# KiCad board Stream.kicad_pcb (continued)
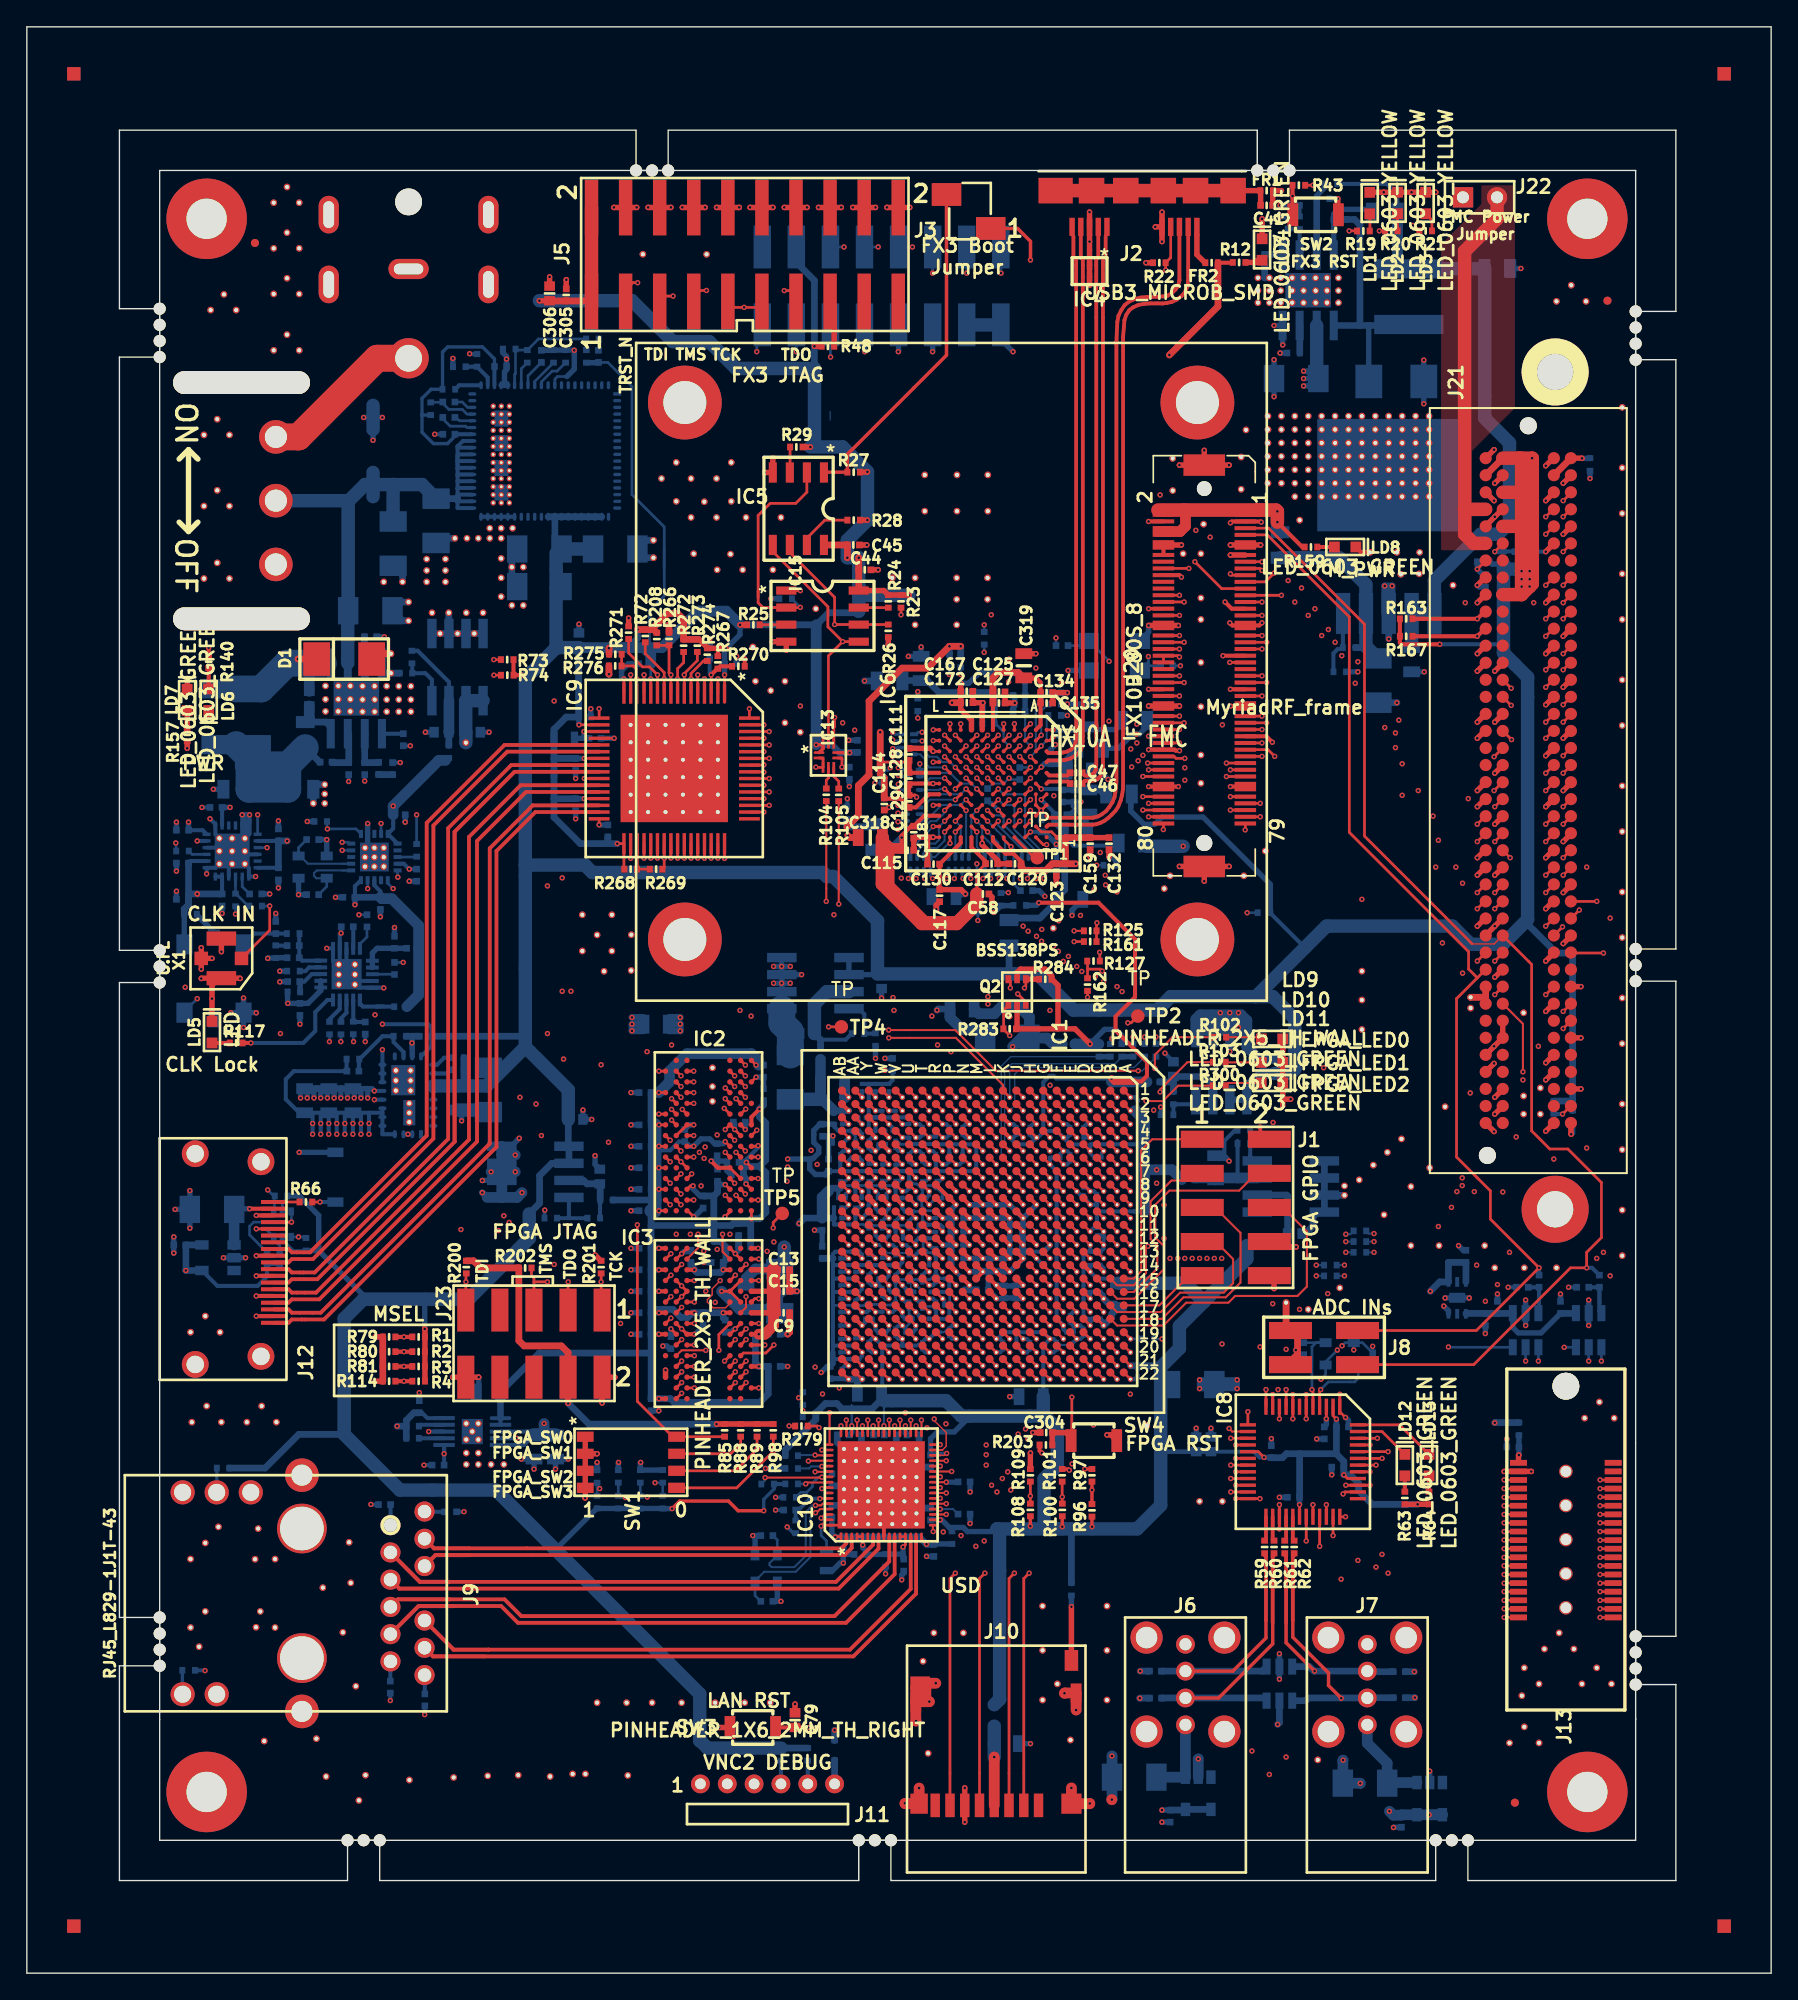
[diagram p0: board, top side]
## Routing (per net, layer and track width the routed paths; a pad name or vN(x,y) marks a point on that pad's centre or on a via; arc(x,y) is an arc through that point) (continued)
  Bottom w0.8: v1(101.55,12.06) 101.84,11.77 C55.1 102.47,11.8 U5.5 U5.4 v1(104.51,11.8)
  Bottom w1: IC18.1 IC18.2 32.7,94.77 C176.1 32.72,92.43 GND_VIA#396.1
VCC5_M: length 31.4
  Top w0.3: J20.1 90.81,109.16 J20.2 J20.4 ; J20.1 92.15,109.15 ; J20.1 J20.3 ; v1(93.2,108.1) 95.05,106.25 R159.2 ; 84.71,107.4 J20.10 84.99,107.16 85.22,107.39 84.97,107.39 J20.8 84.71,107.4 ; 84.71,107.4 85.95,107.4 86.15,107.6 86.15,109
  Top w0.8: 84.3,107.4 85.95,107.4 86.35,107.8 86.35,109
  Top w1: 92.3,109 91.7,109 91.8,109 ; 91.8,109 93.1,109 v1(93.2,108.9) v1(93.2,108.1) ; 91.8,109 84.3,109
  Bottom w1: R160.1 93.2,107.55 v1(93.2,108.9)
VIN_clk: length 43.6
  Top w0.2: v1(98.27,34) IC8.36 ; IC1.T22 IC1.T22
  Inner6.Cu w0.1: v1(68.3,32.88) 69.05,32.88 70.18,34 v1(98.27,34)
  Inner3.Cu w0.1: v1(68.3,32.88) 67.6,33.57 67.6,39.75 67.85,40 67.85,40.47 67.25,41.07 IC1.T22
VIN_debug: length 106
  Top w0.2: IC1.M16 IC1.M16 ; IC8.11 v1(92.85,43.1)
  Inner6.Cu w0.1: v1(92.85,49.88) 71.62,49.88 IC1.M16
  Inner6.Cu w0.15: 65.4,15.3 68.3,15.3 ; 68.3,15.3 88.3,15.3 89.55,16.55 v1(91.3,16.55) ; 68.3,15.3 64.5,15.3 62.6,17.2 53.3,17.2 J11.1 51.4,15.3
  Inner4.Cu w0.1: v1(92.85,43.1) v1(92.85,49.88)
  Inner4.Cu w0.15: 91.3,17.45 91.3,39.2 92.85,40.75 v1(92.85,43.1) ; 91.3,17.45 91.3,17.05 ; 91.3,17.45 v1(91.3,16.55)
VIN_oe: length 43.9
  Top w0.2: v1(97.35,32.6) IC8.35 ; IC1.P20 IC1.P20
  Inner6.Cu w0.1: v1(97.35,32.6) v1(69.62,32.6)
  Inner3.Cu w0.1: v1(69.62,32.6) 69.62,42.85 68.88,43.6 68.88,45.88 IC1.P20
VIN_prog: length 101.7
  Top w0.2: IC1.R17 IC1.R17 ; v1(93.35,41.3) IC8.10
  Inner6.Cu w0.1: v1(68.5,40.93) 69.05,40.93 69.43,41.3 v1(93.35,41.3)
  Inner6.Cu w0.15: 64.6,14.4 66.4,14.4 ; 66.4,14.4 92.2,14.4 v1(92.6,14.8) ; 66.4,14.4 63.9,14.4 62.3,16 60.1,16 J11.5
  Inner4.Cu w0.15: v1(92.6,14.8) 92.6,35.7 93.35,36.45 v1(93.35,41.3)
  Inner3.Cu w0.1: v1(68.5,40.93) 67.88,41.55 67.88,48.88 IC1.R17
  Bottom w0.3: R265.1 J11.5
VIN_rd: length 46.3
  Top w0.2: v1(96.35,31.8) IC8.33 ; IC1.N18 IC1.N18
  Inner6.Cu w0.1: v1(70.72,31.8) v1(96.35,31.8)
  Inner3.Cu w0.1: v1(70.72,31.8) 70.72,36.43 72.05,37.75 72.05,39.65 70.62,41.07 70.62,47.88 IC1.N18
VIN_reset: length 105.5
  Top w0.2: IC1.W19 IC1.W19 ; IC8.9 v1(93.85,43.47)
  Inner6.Cu w0.1: 93.81,46.47 93.54,46.2 90.15,46.2 89.88,46.47 88.68,46.47 88.52,46.62 64.88,46.62 IC1.W19
  Inner6.Cu w0.15: 64.4,14.8 65.6,14.8 ; 65.6,14.8 91.55,14.8 92.85,16.1 v1(93.85,16.1) ; 65.6,14.8 64.3,14.8 62.5,16.6 58.7,16.6 J11.4 ; v1(93.85,46.47) 93.81,46.47
  Inner4.Cu w0.1: v1(93.85,46.47) v1(93.85,43.47)
  Inner4.Cu w0.15: 93.85,18.75 93.85,18.7 ; 93.85,18.75 v1(93.85,43.47) ; 93.85,18.75 v1(93.85,16.1)
  Bottom w0.3: R264.1 J11.4
VIN_rxf: length 44.8
  Top w0.2: v1(95.35,32.2) IC8.31 ; IC1.N17 IC1.N17
  Inner6.Cu w0.1: v1(71.35,32.2) v1(95.35,32.2)
  Inner3.Cu w0.1: v1(71.35,32.2) 71.35,36.6 72.35,37.6 72.35,39.82 70.88,41.3 70.88,48.62 IC1.N17
VIN_txe: length 42
  Top w0.2: IC1.N16 IC1.N16 ; IC8.32 v1(95.85,34.9)
  Inner6.Cu w0.1: v1(94.85,49.45) 92.52,49.45 92.35,49.62 70.88,49.62 IC1.N16
  Inner4.Cu w0.1: v1(95.85,34.9) 94.85,35.9 94.85,44.01 95.39,44.55 95.39,48.64 94.85,49.18 v1(94.85,49.45)
VIN_wr: length 45.7
  Top w0.2: IC1.P15 IC1.P15 ; v1(96.85,34.9) IC8.34
  Inner6.Cu w0.1: IC1.P15 69.88,50.62 v1(96.95,50.62)
  Inner4.Cu w0.1: v1(96.95,50.62) 96.95,42.35 96.35,41.75 96.35,40.75 96.85,40.25 v1(96.85,34.9)
(no net): length 0.6
  Bottom w0.1: 59.87,116.33 59.87,115.72
5P5V: length 50.2
  Bottom w0.3: D12.1 102.15,132.5 101.35,133.3 R51.1
  Bottom w0.5: 102.15,127.75 102.93,126.97 L2.1
  Bottom w0.8: D12.1 102.15,127.75
  Bottom w1: L2.1 108.62,126.97 C162.1 108.65,117.55 108.65,117.55 108.65,115.85 110.5,114 110.5,108.05 109.65,107.2 108.35,107.2 104.9,103.75 IC24.1 IC24.2 C152.1
/Board power supply 2/V_FB: length 9.2
  Bottom w0.2: IC22.62 36.35,119.1 36.42,119.17 R177.1 36.5,120.92 R282.1 38.13,121.75 R176.2 41.7,121.73 R175.2
/Ethernet/CLK125_NDO: length 8.5
  Top w0.15: 59.82,36.97 59.28,36.97 v1(59.25,36.95) 59.22,36.92 v1(55.02,36.92)
  Bottom w0.1: 55.02,36.72 R84.2
  Bottom w0.15: R84.2 55.02,36.72 v1(55.02,36.92)
  Bottom w0.2: R110.2 57.69,35.82 58.12,35.82 58.55,36.25 58.55,36.5 59,36.95 v1(59.25,36.95)
/Ethernet/lan_rxd_0: length 30.5
  Top w0.15: IC10.44 v1(62.28,40.78)
  Top w0.2: IC1.Y21 IC1.Y21
  Inner6.Cu w0.1: 57.47,40.18 57.48,40.18 62,40.18 62.28,40.46 v1(62.28,40.78)
  Inner6.Cu w0.15: 46.61,36.1 55.07,36.1 55.06,36.1 55.06,36.09 56.54,37.57 56.54,39.24 57.47,40.18 ; 46.61,36.1 46.6,36.1 ; 46.61,36.1 46.05,36.66 44.09,36.66 43.53,36.1 v1(42.69,36.1)
  Inner4.Cu w0.1: v1(62.28,40.78) 62.28,42.18 62.88,42.78 62.88,44.88 IC1.Y21
  Bottom w0.2: 42.5,36.21 R94.2 ; 42.5,36.21 R95.2 ; 42.5,36.21 42.58,36.21 v1(42.69,36.1)
/Ethernet/lan_rxd_1: length 29.4
  Top w0.15: v1(62.68,41.2) IC10.43
  Top w0.2: IC1.Y22 IC1.Y22
  Inner6.Cu w0.1: 62.68,40.43 62.15,39.9 57.7,39.9
  Inner6.Cu w0.15: 62.68,40.43 v1(62.68,41.2) ; v1(44.61,35.43) 45.54,36.36 45.94,36.36 46.76,35.54 46.76,35.43 55.12,35.43 55.11,35.42 57.02,37.33 57.02,39.22 57.7,39.9
  Inner4.Cu w0.1: v1(62.68,41.2) 62.68,42.22 63.25,42.8 IC1.Y22
  Bottom w0.2: R93.2 44.08,35.57 R92.2 44.2,35.43 v1(44.61,35.43)
/Ethernet/lan_rxd_2: length 30.4
  Top w0.15: v1(63.47,41.2) IC10.41
  Top w0.2: IC1.W21 IC1.W21
  Inner6.Cu w0.1: 63.47,40.38 62.8,39.7 57.97,39.7 57.88,39.6
  Inner6.Cu w0.15: 63.47,40.38 v1(63.47,41.2) ; 57.39,36.4 57.39,36.36 ; 57.39,36.4 57.39,39.12 57.88,39.6 ; 57.39,36.4 57.39,35.15 57.31,35.07 46.69,35.07 ; 46.69,35.07 46.67,35.07 ; 46.69,35.07 46.64,35.07 v1(46.24,35.47)
  Inner4.Cu w0.1: v1(63.47,41.2) 63.88,41.6 63.88,44.88 IC1.W21
  Bottom w0.2: v1(46.24,35.47) 46.16,35.55 R90.2 R91.2
/Ethernet/lan_rxd_3: length 28.1
  Top w0.15: v1(64.28,41.2) IC10.39
  Top w0.2: IC1.W22 IC1.W22
  Inner6.Cu w0.15: IC1.W22 63.1,43.1 60.09,43.1 59.64,43.55 58.82,43.55 54.86,39.59 54.86,38.16 53.24,36.54 v1(46.82,36.54)
  Inner4.Cu w0.1: v1(64.28,41.2) 64.25,41.22 IC1.W22
  Bottom w0.2: R86.2 47.39,35.57 R87.2 v1(46.82,36.54)
/Ethernet/lan_rxd_4: length 6
  Top w0.15: v1(64.68,40.78) IC10.38
  Top w0.2: IC1.V21 IC1.V21
  Inner4.Cu w0.1: v1(64.68,40.78) 64.68,43.65 64.88,43.85 64.88,44.88 IC1.V21 65.22,45.25
/Ethernet/lan_rxd_5: length 4.8
  Top w0.15: v1(65.07,41.2) IC10.37
  Top w0.2: IC1.V22 IC1.V22
  Inner4.Cu w0.1: v1(65.07,41.2) 65.07,43.62 65.25,43.8 IC1.V22
/Ethernet/lan_rxd_6: length 5.9
  Top w0.15: v1(65.88,41.2) IC10.35
  Top w0.2: IC1.U21 IC1.U21
  Inner4.Cu w0.1: 65.9,44.9 IC1.U21 ; 65.9,44.9 65.88,44.88 ; 65.9,44.9 65.88,44.88 ; 65.88,44.88 v1(65.88,41.2)
/Ethernet/lan_rxd_7: length 4.7
  Top w0.15: v1(66.28,40.78) IC10.34
  Top w0.2: IC1.U22 IC1.U22
  Inner4.Cu w0.1: v1(66.28,40.78) 66.25,40.8 IC1.U22
/Ethernet/lan_txd_0: length 12.5
  Top w0.15: IC10.21 v1(68.53,34.97)
  Top w0.2: IC1.N22 IC1.N22
  Inner4.Cu w0.1: IC1.N22 70.25,42.95 71.1,42.1 71.1,37.3 68.78,34.97 v1(68.53,34.97)
/Ethernet/lan_txd_1: length 13.2
  Top w0.15: v1(68.07,35.38) IC10.22
  Top w0.2: IC1.N21 IC1.N21
  Inner4.Cu w0.1: v1(68.07,35.38) 68.78,35.38 70.8,37.4 70.8,42 69.88,42.93 69.88,44.88 IC1.N21
/Ethernet/lan_txd_2: length 12.7
  Top w0.15: IC10.23 v1(68.53,35.78)
  Top w0.2: IC1.P21 IC1.P21
  Inner4.Cu w0.1: IC1.P21 69.62,44.88 69.62,42.72 70.55,41.8 70.55,37.57 68.75,35.78 v1(68.53,35.78)
/Ethernet/lan_txd_3: length 11
  Top w0.15: IC10.24 v1(68.07,36.18)
  Top w0.2: IC1.P22 IC1.P22
  Inner4.Cu w0.1: IC1.P22 69.25,42.62 70.25,41.62 70.25,37.7 68.72,36.18 v1(68.07,36.18)
/Ethernet/lan_txd_4: length 13.3
  Top w0.15: IC10.26 v1(68.07,36.97)
  Top w0.2: IC1.R20 IC1.R20
  Inner4.Cu w0.1: 69.9,38.3 69.9,41.5 68.88,42.53 68.88,45.62 IC1.R20 ; 69.9,38.3 69.9,37.78 69.1,36.97 v1(68.07,36.97) 68.7,36.97 ; 69.9,38.3 69.9,38.18
/Ethernet/lan_txd_5: length 11.2
  Top w0.15: v1(68.93,37.38) IC10.27
  Top w0.2: IC1.R21 IC1.R21
  Inner4.Cu w0.1: 69.6,38.7 69.6,41.32 68.62,42.3 68.62,44.88 IC1.R21 ; 69.6,38.7 69.6,38.28 ; 69.6,38.7 69.6,38.05 v1(68.93,37.38)
/Ethernet/lan_txd_6: length 9.1
  Top w0.15: IC10.28 v1(68.07,37.78)
  Top w0.2: IC1.R22 IC1.R22
  Inner4.Cu w0.1: IC1.R22 68.25,42.22 69.3,41.18 69.3,38.35 68.72,37.78 v1(68.07,37.78)
/Ethernet/lan_txd_7: length 11.6
  Top w0.15: v1(68.53,38.18) IC10.29
  Top w0.2: IC1.R19 IC1.R19
  Inner4.Cu w0.1: IC1.R19 67.88,46.88 67.88,42.15 69,41.03 69,38.65 v1(68.53,38.18)
/Ethernet/LED1: length 67.7
  Top w0.15: IC10.19 v1(68.53,34.18)
  Top w0.2: R108.2 v1(74.79,35.55) R109.2
  Inner6.Cu w0.15: 67.57,34.18 v1(68.53,34.18)
  Inner6.Cu w0.2: v1(74.79,35.55) 74.06,34.82 69.77,34.82 69.12,34.18 v1(68.53,34.18)
  Inner6.Cu w0.3: 67.57,34.18 67.05,33.65 67.05,33.15 66.5,32.6 61.6,32.6 60.05,31.05 41,31.05 35.15,36.9 26.35,36.9 24.08,39.17 20.04,39.17 J9.15
  Bottom w0.4: 16.7,35.87 16.75,35.82
/Ethernet/LED2: length 75.5
  Top w0.15: v1(67.55,32.9) 67.53,32.93 IC10.17
  Top w0.2: R100.2 77.16,34.99 77.16,35.48 ; v1(77.17,35.48) 77.16,35.48 ; 77.16,35.48 R101.2
  Inner6.Cu w0.2: v1(77.17,35.48) 76.14,34.45 70.1,34.45 68.99,33.34 67.72,33.34 67.55,33.17 v1(67.55,32.9)
  Inner6.Cu w0.3: J9.17 13.19,34.24 17.12,34.24 18.28,35.4 25,35.4 25.7,36.1 35,36.1 41.25,29.85 61.2,29.85 61.8,30.45 67.25,30.45 67.55,30.75 v1(67.55,32.9)
/Ethernet/TXRXM_A: length 33.2
  Top w0.28: 33.05,31.15 60.95,31.15 61.47,31.68 IC10.3
  Top w0.3: J9.10 30.46,31.15 33.05,31.15
/Ethernet/TXRXM_B: length 38.8
  Top w0.28: 31.25,28.65 60.5,28.65 63.47,31.62 IC10.8
  Top w0.3: J9.4 27.76,28.65 31.25,28.65
/Ethernet/TXRXM_C: length 43.3
  Top w0.28: 31.75,27.35 35.35,27.35 36.6,26.1 61.05,26.1 64.68,29.72 IC10.11
  Top w0.3: J9.2 29.19,27.35 31.82,27.35
/Ethernet/TXRXM_D: length 43.1
  Top w0.28: 34.1,23.6 61.6,23.6 66.28,28.28 IC10.15
  Top w0.3: J9.8 30.28,23.6 34.1,23.6
/Ethernet/TXRXP_A: length 32.4
  Top w0.28: 32.95,31.65 60.7,31.65 61.07,32.03 IC10.2
  Top w0.3: J9.11 30.35,31.65 32.95,31.65
/Ethernet/TXRXP_B: length 38.6
  Top w0.28: 31.5,29.15 60.3,29.15 63.07,31.93 IC10.7
  Top w0.3: J9.5 29.29,29.15 31.5,29.15
/Ethernet/TXRXP_C: length 41.5
  Top w0.28: 31.5,27.85 35.6,27.85 36.85,26.6 60.2,26.6 64.28,30.68 IC10.10
  Top w0.3: 27.1,27.28 27.66,27.85 31.5,27.85
/Ethernet/TXRXP_D: length 42.9
  Top w0.28: 34.4,24.1 61.35,24.1 65.88,28.62 IC10.14
  Top w0.3: J9.9 31.81,24.1 34.42,24.1
/FMC  and Myriad RF connectors/DIQ1_D0: length 77.7
  Top w0.2: v1(114.5,109.7) 115.07,110.28 J21.H38 ; v1(93.5,102.65) J20.23 ; IC1.C3 IC1.C3
  Inner6.Cu w0.1: 85.68,63.88 80.88,63.88 IC1.C3
  Inner6.Cu w0.15: 93.5,86.4 93.5,86.1 ; 93.5,86.1 93.5,71.7 85.68,63.88 ; 93.5,86.1 93.5,103 v1(93.5,102.65) 93.5,104 98.6,109.1 113.9,109.1 v1(114.5,109.7)
/FMC  and Myriad RF connectors/DIQ1_D1: length 80.8
  Top w0.2: v1(113.2,108.5) 113.75,109.06 113.81,109.06 ; v1(85.9,102.65) 85.89,102.66 J20.24 ; IC1.B3 IC1.B3
  Inner6.Cu w0.1: 86.03,63.62 81.62,63.62 IC1.B3
  Inner6.Cu w0.15: 86.03,63.62 94,71.6 v1(94,103.75) 98.35,108.1 112.8,108.1 v1(113.2,108.5)
  Inner5.Cu w0.2: v1(94,103.75) 87,103.75 v1(85.9,102.65)
/FMC  and Myriad RF connectors/DIQ1_D2: length 75.8
  Top w0.2: v1(114.5,108.5) 115.06,109.06 115.07,109.06 ; IC1.A3 IC1.A3 ; v1(92.05,102.15) J20.25
  Inner6.Cu w0.1: 86.15,63.25 IC1.A3
  Inner6.Cu w0.15: 86.15,63.25 94.5,71.6 94.5,102.6 v1(94.5,102.15) 94.5,103.5 98.7,107.7 113.7,107.7 v1(114.5,108.5)
  Inner5.Cu w0.2: v1(92.05,102.15) v1(94.5,102.15)
/FMC  and Myriad RF connectors/DIQ1_D3: length 82.4
  Top w0.2: v1(113.2,107.2) 113.79,107.78 J21.G36 ; v1(86.25,102.15) 86.25,102.15 J20.26 ; IC1.C4 IC1.C4
  Inner6.Cu w0.1: 86.38,62.88 80.88,62.88 IC1.C4
  Inner6.Cu w0.15: 86.38,62.88 95,71.5 v1(95,103.2) 98.4,106.6 112.6,106.6 v1(113.2,107.2)
  Inner5.Cu w0.2: v1(95,103.2) 87.3,103.2 v1(86.25,102.15)
/FMC  and Myriad RF connectors/DIQ1_D4: length 75.9
  Top w0.2: v1(114.5,105.9) 115.07,106.47 115.07,106.52 ; J20.29 v1(92.05,101.15) ; IC1.B4 IC1.B4
  Inner6.Cu w0.1: 86.72,62.62 81.62,62.62 IC1.B4
  Inner6.Cu w0.15: 86.72,62.62 95.5,71.4 v1(95.5,101.15) 95.5,102.7 98,105.2 113.8,105.2 v1(114.5,105.9)
  Inner5.Cu w0.2: v1(95.5,101.15) v1(92.05,101.15)
/FMC  and Myriad RF connectors/DIQ1_D5: length 78.9
  Top w0.2: v1(113.2,103.4) 113.77,103.97 J21.G33 ; v1(85.9,101.15) 85.9,101.15 J20.30 ; IC1.A4 IC1.A4
  Inner6.Cu w0.1: 86.95,62.25 IC1.A4
  Inner6.Cu w0.15: 86.95,62.25 96,71.3 96,101.7 97.1,102.8 112.6,102.8 v1(113.2,103.4)
  Inner5.Cu w0.2: v1(96,101.65) 86.4,101.65 v1(85.9,101.15)
/FMC  and Myriad RF connectors/DIQ1_D6: length 80.4
  Top w0.2: v1(114.5,102.1) 115.07,102.67 J21.H32 ; IC1.F7 IC1.F7 ; J20.31 v1(92.05,99.65)
  Inner6.Cu w0.1: 87.18,61.88 79.85,61.88 79.62,61.65 79.62,60.07 79.43,59.88 77.88,59.88 IC1.F7
  Inner6.Cu w0.15: 87.18,61.88 96.5,71.2 v1(96.5,99.65) 96.5,100.65 97.35,101.5 113.9,101.5 v1(114.5,102.1)
  Inner5.Cu w0.2: v1(96.5,99.65) v1(92.05,99.65)
/FMC  and Myriad RF connectors/DIQ1_D7: length 84.1
  Top w0.2: v1(113.2,100.9) 113.74,101.44 J21.G31 ; v1(85.9,99.65) 85.9,99.65 J20.32 ; IC1.E7 IC1.E7
  Inner6.Cu w0.1: 87.53,61.62 79.97,61.62 79.88,61.53 79.88,59.95 79.55,59.62 78.62,59.62 IC1.E7
  Inner6.Cu w0.15: 87.53,61.62 97,71.1 v1(97,100.1) 97.4,100.5 112.8,100.5 v1(113.2,100.9)
  Inner5.Cu w0.2: v1(97,100.1) 86.35,100.1 v1(85.9,99.65)
/FMC  and Myriad RF connectors/DIQ1_D8: length 73.4
  Top w0.2: v1(114.5,100.9) 115.04,101.44 J21.H31 ; IC1.A5 IC1.A5 ; v1(92.4,99.15) J20.33
  Inner6.Cu w0.1: 87.75,61.25 IC1.A5
  Inner6.Cu w0.15: 87.75,61.25 97.5,71 v1(97.5,99.15) 98.45,100.1 113.7,100.1 v1(114.5,100.9)
  Inner5.Cu w0.15: v1(97.5,99.15) v1(92.4,99.15)
/FMC  and Myriad RF connectors/DIQ1_D9: length 80.5
  Top w0.2: v1(113.2,99.6) 113.76,100.17 J21.G30 ; v1(86.25,99.15) 86.25,99.15 J20.34 ; IC1.C6 IC1.C6
  Inner6.Cu w0.1: 87.97,60.88 80.88,60.88 IC1.C6
  Inner6.Cu w0.15: 87.97,60.88 98,70.9 v1(98,98.15) 98.36,98.51 107.26,98.51 107.75,99 112.6,99 v1(113.2,99.6)
  Inner5.Cu w0.2: v1(98,98.15) 91.3,98.15 90.3,99.15 v1(86.25,99.15)
/FMC  and Myriad RF connectors/DIQ1_D10: length 75.5
  Top w0.2: v1(114.5,98.3) 115.07,98.88 J21.H29 ; J20.35 v1(92.05,98.65) ; IC1.B6 IC1.B6
  Inner6.Cu w0.1: 88.32,60.62 81.62,60.62 IC1.B6
  Inner6.Cu w0.15: 113.9,97.7 v1(114.5,98.3) 113.9,97.7 ; 113.9,97.7 v1(99.2,97.7) 98.5,97 98.5,70.8 88.32,60.62
  Inner5.Cu w0.2: v1(99.2,97.7) 98.25,98.65 v1(92.05,98.65)
/FMC  and Myriad RF connectors/DIQ1_D11: length 78
  Top w0.2: v1(113.2,97.1) 113.73,97.62 J21.G28 ; v1(85.9,98.65) 85.9,98.65 J20.36 ; IC1.A6 IC1.A6
  Inner6.Cu w0.1: 88.65,60.35 82.65,60.35 82.55,60.25 IC1.A6
  Inner6.Cu w0.15: 88.65,60.35 99,70.7 v1(99,96.1) 108.88,96.1 109.38,96.6 112.7,96.6 v1(113.2,97.1)
  Inner5.Cu w0.2: v1(99,96.1) 97.45,97.65 90.9,97.65 89.9,98.65 v1(85.9,98.65)
/FMC  and Myriad RF connectors/DIQ2_D0: length 73.2
  Top w0.2: v1(113.2,92) 113.75,92.54 J21.G24 ; J20.43 v1(92.05,96.65) ; IC1.B7 IC1.B7
  Inner6.Cu w0.1: 89.75,58.45 84.03,58.45 83.6,58.88 81.62,58.88 IC1.B7
  Inner6.Cu w0.15: 89.75,58.45 101.5,70.2 101.5,90.8 v1(102,91.3) 112.5,91.3 v1(113.2,92)
  Inner5.Cu w0.2: v1(102,91.3) 96.65,96.65 v1(92.05,96.65)
/FMC  and Myriad RF connectors/DIQ2_D1: length 77.9
  Top w0.2: v1(113.2,93.2) 113.81,93.81 J21.G25 ; v1(85.9,96.65) 85.9,96.65 J20.44 ; IC1.A7 IC1.A7
  Inner6.Cu w0.1: IC1.A7 89.35,59.25
  Inner6.Cu w0.15: 99.2,69.1 99.1,69 ; 99.1,69 89.35,59.25 ; 99.1,69 100.5,70.4 100.5,92.1 v1(101.2,92.8) 112.8,92.8 v1(113.2,93.2)
  Inner5.Cu w0.2: v1(101.2,92.8) 96.85,97.15 90.95,97.15 90.45,96.65 v1(85.9,96.65)
/FMC  and Myriad RF connectors/DIQ2_D2: length 79.1
  Top w0.2: J21.H23 v1(114.5,90.7) ; J20.45 v1(92.4,96.15) ; IC1.F8 IC1.F8
  Inner6.Cu w0.1: 90.07,58.18 83.9,58.18 83.45,58.62 77.62,58.62 IC1.F8
  Inner6.Cu w0.15: 113.9,90.1 v1(114.5,90.7) 113.9,90.1 ; 113.9,90.1 v1(102.5,90.1) 102,89.6 102,70.1 90.07,58.18
  Inner5.Cu w0.2: v1(102.5,90.1) 96.45,96.15 v1(92.4,96.15)
/FMC  and Myriad RF connectors/DIQ2_D3: length 81.5
  Top w0.2: v1(114.5,89.4) 115.07,89.97 J21.H22 ; v1(86.25,96.15) 86.25,96.15 J20.46 ; IC1.B8 IC1.B8
  Inner6.Cu w0.1: 90.73,57.62 83.65,57.62 83.4,57.88 81.62,57.88 IC1.B8
  Inner6.Cu w0.15: 90.73,57.62 103,69.9 103,87.4 104.2,88.6 ; 104.2,88.6 113.7,88.6 v1(114.5,89.4) ; 104.2,88.6 v1(103.7,88.1)
  Inner5.Cu w0.2: v1(103.7,88.1) 96.15,95.65 92.1,95.65 91.6,96.15 v1(86.25,96.15)
/FMC  and Myriad RF connectors/DIQ2_D4: length 75.6
  Top w0.2: v1(114.5,86.9) 115.06,87.47 J21.H20 ; J20.49 v1(92.05,95.15) ; IC1.C8 IC1.C8
  Inner6.Cu w0.1: 91,56.82 84.05,56.82 83.25,57.62 80.88,57.62 IC1.C8
  Inner6.Cu w0.15: 91,56.82 101.98,67.8 102,67.8 104,69.8 104,85.4 v1(104.8,86.2) 113.8,86.2 v1(114.5,86.9)
  Inner5.Cu w0.2: v1(104.8,86.2) 95.85,95.15 v1(92.05,95.15)
/FMC  and Myriad RF connectors/DIQ2_D5: length 77.4
  Top w0.2: v1(85.9,95.15) 85.9,95.15 J20.50 ; J21.G22 v1(113.2,89.4) ; IC1.A8 IC1.A8
  Inner6.Cu w0.1: 90.4,57.9 83.8,57.9 83.45,58.25 IC1.A8
  Inner6.Cu w0.15: 90.4,57.9 102.5,70 102.5,88 ; 102.5,88 103.5,89 112.8,89 v1(113.2,89.4) ; 102.5,88 v1(102.5,87.75)
  Inner5.Cu w0.2: v1(102.5,87.75) 95.6,94.65 91.5,94.65 91,95.15 v1(85.9,95.15)
/FMC  and Myriad RF connectors/DIQ2_D6: length 72.4
  Top w0.2: v1(113.2,85.6) 113.8,86.19 J21.G19 ; v1(92.05,93.65) J20.51 ; IC1.A9 IC1.A9
  Inner6.Cu w0.1: 91.27,56.55 83.95,56.55 83.25,57.25 IC1.A9
  Inner6.Cu w0.15: 101.52,66.8 101.51,66.79 ; 101.51,66.79 91.27,56.55 ; 101.51,66.79 101.59,66.79 104.5,69.7 104.5,83.7 106,85.2 ; 106,85.2 112.8,85.2 v1(113.2,85.6) ; 106,85.2 v1(105.2,84.4)
  Inner5.Cu w0.2: v1(105.2,84.4) 95.95,93.65 v1(92.05,93.65)
/FMC  and Myriad RF connectors/DIQ2_D7: length 81.4
  Top w0.2: v1(114.5,85.6) 115.07,86.18 J21.H19 ; IC1.B9 IC1.B9 ; v1(85.9,93.65) J20.52
  Inner6.Cu w0.1: IC1.B9 81.62,56.88 83.2,56.88 83.8,56.28 91.45,56.28
  Inner6.Cu w0.15: 91.45,56.28 101.57,66.4 101.8,66.4 105,69.6 105,83.4 ; 105,83.4 106.4,84.8 113.7,84.8 v1(114.5,85.6) ; 105,83.4 v1(105,82.4)
  Inner5.Cu w0.2: v1(105,82.4) 95.25,92.15 91.05,92.15 89.55,93.65 v1(85.9,93.65)
/FMC  and Myriad RF connectors/DIQ2_D8: length 73.7
  Top w0.2: v1(114.5,83.1) 115.06,83.66 J21.H17 ; IC1.A10 IC1.A10 ; J20.53 v1(92.4,93.15)
  Inner6.Cu w0.1: 91.85,55.72 83.55,55.72 83.03,56.25 IC1.A10
  Inner6.Cu w0.15: 113.8,82.4 v1(114.5,83.1) 113.8,82.4 ; 113.8,82.4 v1(106.5,82.4) 106,81.9 106,69.6 100.4,64 100.12,64 91.85,55.72
  Inner5.Cu w0.2: v1(106.5,82.4) 95.75,93.15 v1(92.4,93.15)
/FMC  and Myriad RF connectors/DIQ2_D9: length 85.9
  Top w0.2: v1(113.2,84.3) 113.81,84.91 J21.G18 ; v1(86.25,93.15) J20.54 ; IC1.F10 IC1.F10
  Inner6.Cu w0.1: 91.68,56 83.7,56 83.07,56.62 77.62,56.62 IC1.F10
  Inner6.Cu w0.15: 105.5,77.45 105.5,83 106.2,83.7 112.6,83.7 v1(113.2,84.3) ; 105.5,77.45 105.5,69.6 101.16,65.26 100.94,65.26 ; 105.5,77.45 v1(105.5,76.75) ; 100.98,65.3 100.94,65.26 ; 100.94,65.26 91.68,56
  Inner5.Cu w0.2: v1(105.5,76.75) 104.45,76.75 88.55,92.65 86.75,92.65 v1(86.25,93.15)
/FMC  and Myriad RF connectors/DIQ2_D10: length 72.1
  Top w0.2: v1(113.2,81.8) 113.79,82.38 J21.G16 ; IC1.C7 IC1.C7 ; v1(92.05,92.65) J20.55
  Inner6.Cu w0.15: v1(107,81.2) 107.2,81.4 112.8,81.4 v1(113.2,81.8)
  Inner5.Cu w0.2: v1(107,81.2) 95.55,92.65 v1(92.05,92.65)
  Inner2.Cu w0.1: v1(107,81.2) 106.5,80.7 106.5,69.6 96.35,59.45 ; 82.78,59.62 83.05,59.35 ; 82.78,59.62 83.15,59.25 96.15,59.25 96.35,59.45 ; 82.78,59.62 80.62,59.62 IC1.C7 ; 96.25,59.35 96.35,59.45
/FMC  and Myriad RF connectors/DIQ2_D11: length 85.1
  Top w0.2: v1(114.5,81.8) 115.07,82.38 J21.H16 ; IC1.D10 IC1.D10 ; v1(85.9,92.65) J20.56
  Inner6.Cu w0.1: 92.32,55.18 83.3,55.18 82.85,55.62 79.88,55.62 IC1.D10
  Inner6.Cu w0.15: 107,75.15 107,80.5 107.5,81 113.7,81 v1(114.5,81.8) ; 107,75.15 107,69.6 100,62.6 99.75,62.6 92.32,55.18 ; 107,75.15 v1(107,74.5)
  Inner5.Cu w0.2: v1(107,74.5) 105.8,74.5 88.1,92.2 86.35,92.2 v1(85.9,92.65)
/FPGA banks 1_4/DDR_0_A0: length 24.3
  Top w0.2: IC2.M8 v1(48.75,65.25) ; IC1.W1 IC1.W1
  Inner6.Cu w0.15: IC1.W1 58.65,70.85 50.9,70.85 48.2,68.15 48.2,65.8 v1(48.75,65.25)
  Bottom w0.3: R188.2 IC1.W1
/FPGA banks 1_4/DDR_0_A1: length 17
  Top w0.2: IC1.AA3 IC1.AA3 ; IC2.M3 v1(52.05,65.95)
  Inner6.Cu w0.1: 60.07,63.65 60.05,63.65 61.85,63.65 IC1.AA3
  Inner6.Cu w0.15: 60.05,63.65 54.9,68.8 52.85,68.8 51.7,67.65 51.7,66.3 v1(52.05,65.95)
  Bottom w0.3: IC1.AA3 61.97,63.53 R209.2
/FPGA banks 1_4/DDR_0_A2: length 20.7
  Top w0.2: IC2.M7 v1(49.7,65.6) ; IC1.Y3 IC1.Y3
  Inner6.Cu w0.1: 60.8,63.97 60.9,63.88 62.62,63.88 IC1.Y3
  Inner6.Cu w0.15: 60.8,63.97 60.05,64.72 60.05,65.45 56.28,69.22 51.6,69.22 50.55,68.18 50.55,66.45 v1(49.7,65.6)
  Bottom w0.3: IC1.Y3 R210.2
/FPGA banks 1_4/DDR_0_A3: length 16.1
  Top w0.2: IC1.V6 IC1.V6 ; v1(53.55,66.05) IC2.N2
  Inner6.Cu w0.1: 60.32,60.88 64.62,60.88 IC1.V6 ; 60.32,60.88 60.05,60.88 ; 60.32,60.88 59.95,60.88
  Inner6.Cu w0.15: 59.95,60.88 55.1,65.72 53.88,65.72 v1(53.55,66.05)
  Bottom w0.3: R211.2 64.78,60.25 IC1.V6
/FPGA banks 1_4/DDR_0_A4: length 19.9
  Top w0.2: IC2.N8 v1(48.75,66.05) ; IC1.AA1 IC1.AA1
  Inner6.Cu w0.15: IC1.AA1 57.32,70.18 51.2,70.18 49.2,68.18 49.2,66.5 v1(48.75,66.05)
  Bottom w0.3: R212.2 IC1.AA1
/FPGA banks 1_4/DDR_0_A5: length 16.1
  Top w0.2: IC2.N3 v1(52.75,66.05) ; IC1.AB3 IC1.AB3
  Inner6.Cu w0.1: 60.28,63.25 60.05,63.25 ; 60.28,63.25 59.9,63.25 ; 60.28,63.25 IC1.AB3
  Inner6.Cu w0.15: 59.9,63.25 54.68,68.47 53.07,68.47 52.1,67.5 52.1,66.7 v1(52.75,66.05) 52.25,66.55
  Bottom w0.3: R213.2 IC1.AB3
/FPGA banks 1_4/DDR_0_A6: length 20
  Top w0.2: IC1.Y2 IC1.Y2 ; IC2.N7 v1(49.7,66.4)
  Inner6.Cu w0.1: 60.62,64.65 62.85,64.65 IC1.Y2
  Inner6.Cu w0.15: 60.62,64.65 60.45,64.82 60.45,65.7 56.62,69.53 51.47,69.53 50.15,68.2 50.15,66.85 v1(49.7,66.4)
  Bottom w0.3: IC1.Y2 R214.2
/FPGA banks 1_4/DDR_0_A7: length 11.9
  Top w0.2: IC2.P2 v1(53.55,66.85) ; IC1.AB5 IC1.AB5
  Inner6.Cu w0.1: 60.05,61.25 IC1.AB5
  Inner6.Cu w0.15: 60.05,61.25 55.15,66.15 54.25,66.15 v1(53.55,66.85)
  Bottom w0.3: R215.2 60.85,61.25 IC1.AB5
/FPGA banks 1_4/DDR_0_A8: length 20.7
  Top w0.2: IC2.P8 v1(48.75,66.85) ; IC1.Y1 IC1.Y1
  Inner6.Cu w0.15: IC1.Y1 57.97,70.53 51.05,70.53 48.75,68.22 v1(48.75,66.85)
  Bottom w0.3: R216.2 IC1.Y1
/FPGA banks 1_4/DDR_0_A9: length 19.6
  Top w0.2: IC1.V7 IC1.V7 ; v1(52.75,66.85) IC2.P3
  Inner6.Cu w0.1: v1(52.75,66.85) 53.15,67.25 54.5,67.25 60.12,61.62 65.45,61.62 65.62,61.45 65.62,59.62 IC1.V7
  Inner6.Cu w0.15: 52.72,66.88 v1(52.75,66.85)
  Bottom w0.3: IC1.V7 65.03,59.03 R217.2
/FPGA banks 1_4/DDR_0_A10: length 13.7
  Top w0.2: IC1.Y6 IC1.Y6 ; IC2.M2 v1(53.55,65.25)
  Inner6.Cu w0.1: 60.35,60.62 60.15,60.62 ; 60.35,60.62 62.88,60.62 IC1.Y6 ; 60.35,60.62 59.75,60.62
  Inner6.Cu w0.15: 59.75,60.62 55.12,65.25 v1(53.55,65.25)
  Bottom w0.3: IC1.Y6 63.2,60.3 R218.2
/FPGA banks 1_4/DDR_0_A11: length 20.8
  Top w0.2: IC2.P7 v1(49.7,67.2) ; IC1.W2 IC1.W2
  Inner6.Cu w0.1: 60.82,64.95 60.9,64.88 63.62,64.88 IC1.W2
  Inner6.Cu w0.15: 60.82,64.95 60.82,65.93 56.9,69.85 51.35,69.85 49.7,68.2 v1(49.7,67.2)
  Bottom w0.3: IC1.W2 R219.2
/FPGA banks 1_4/DDR_0_A12: length 21.6
  Top w0.2: v1(53.55,67.65) IC2.R2 ; IC1.T8 IC1.T8
  Inner6.Cu w0.1: v1(53.55,67.65) 53.97,68.07 54.65,68.07 54.8,67.93 54.8,67.57 59.55,62.82 60.28,62.82 60.6,62.5 60.6,62.22 60.95,61.88 65.55,61.88 65.88,61.55 65.88,59.07 66.07,58.88 66.62,58.88 IC1.T8
  Bottom w0.3: R220.2 67.25,57.97 IC1.T8
/FPGA banks 1_4/DDR_0_DQ0: length 23.8
  Top w0.2: IC1.U10 IC1.U10 ; v1(48.75,61.25) IC2.G8
  Inner6.Cu w0.1: v1(48.75,61.25) 49.15,60.85 49.15,59.32 49.38,59.1 50.43,59.1 50.68,59.35 53.75,59.35 55.47,57.62 66.47,57.62 66.68,57.43 66.68,56.68 IC1.U10
  Bottom w0.3: R6.2 65.97,56.25 IC1.U10
/FPGA banks 1_4/DDR_0_DQ1: length 12.1
  Top w0.2: IC2.G2 v1(53.55,61.25) ; IC1.AB8 IC1.AB8
  Inner6.Cu w0.1: 59.92,58.25 57.41,60.76 57.41,61.65 56.9,62.16 54.24,62.16 53.55,61.47 v1(53.55,61.25)
  Inner6.Cu w0.15: 59.92,58.25 IC1.AB8
  Bottom w0.3: IC1.AB8 61.03,58.03 R7.2
/FPGA banks 1_4/DDR_0_DQ2: length 18.1
  Top w0.2: v1(49.7,62.4) IC2.H7 ; IC1.AB7 IC1.AB7
  Inner6.Cu w0.1: 54.88,63.28 56.6,63.28 57.95,61.93 57.95,61.07 58.29,60.73 59.18,60.73 60.66,59.25 IC1.AB7 60.25,59.25
  Inner6.Cu w0.15: 61.22,59.22 IC1.AB7 ; 54.88,63.28 50.57,63.28 v1(49.7,62.4) 50.47,63.18
  Bottom w0.25: IC1.AB7 61.03,59.03 R8.2
/FPGA banks 1_4/DDR_0_DQ3: length 14.7
  Top w0.2: IC2.H3 v1(52.75,62.05) ; IC1.AA9 IC1.AA9
  Inner5.Cu w0.1: 56.62,61.95 54.95,61.95 54.85,62.05 v1(52.75,62.05) ; 56.62,61.95 57.57,61.95 ; 56.62,61.95 57.8,61.95 v1(58.45,61.3)
  Inner4.Cu w0.1: IC1.AA9 61.8,57.7 61.8,58.57 61.6,58.78 60.97,58.78 v1(58.45,61.3)
  Bottom w0.3: IC1.AA9 62.03,57.03 R9.2
/FPGA banks 1_4/DDR_0_DQ4: length 20.9
  Top w0.2: IC2.H1 v1(54.4,62.8) ; IC1.V11 IC1.V11
  Inner5.Cu w0.1: v1(55.68,54.47) 55.78,54.57 60.15,54.57 60.45,54.88 64.88,54.88 IC1.V11
  Inner4.Cu w0.1: v1(55.68,54.47) 55.66,54.47
  Inner4.Cu w0.15: v1(54.4,62.8) 55,62.8 55.17,62.63 55.17,54.97 55.66,54.47
  Bottom w0.3: IC1.V11 65.3,55.2 R10.2
